# KiCad board INS-1 Matrix Display.kicad_pcb (continued)
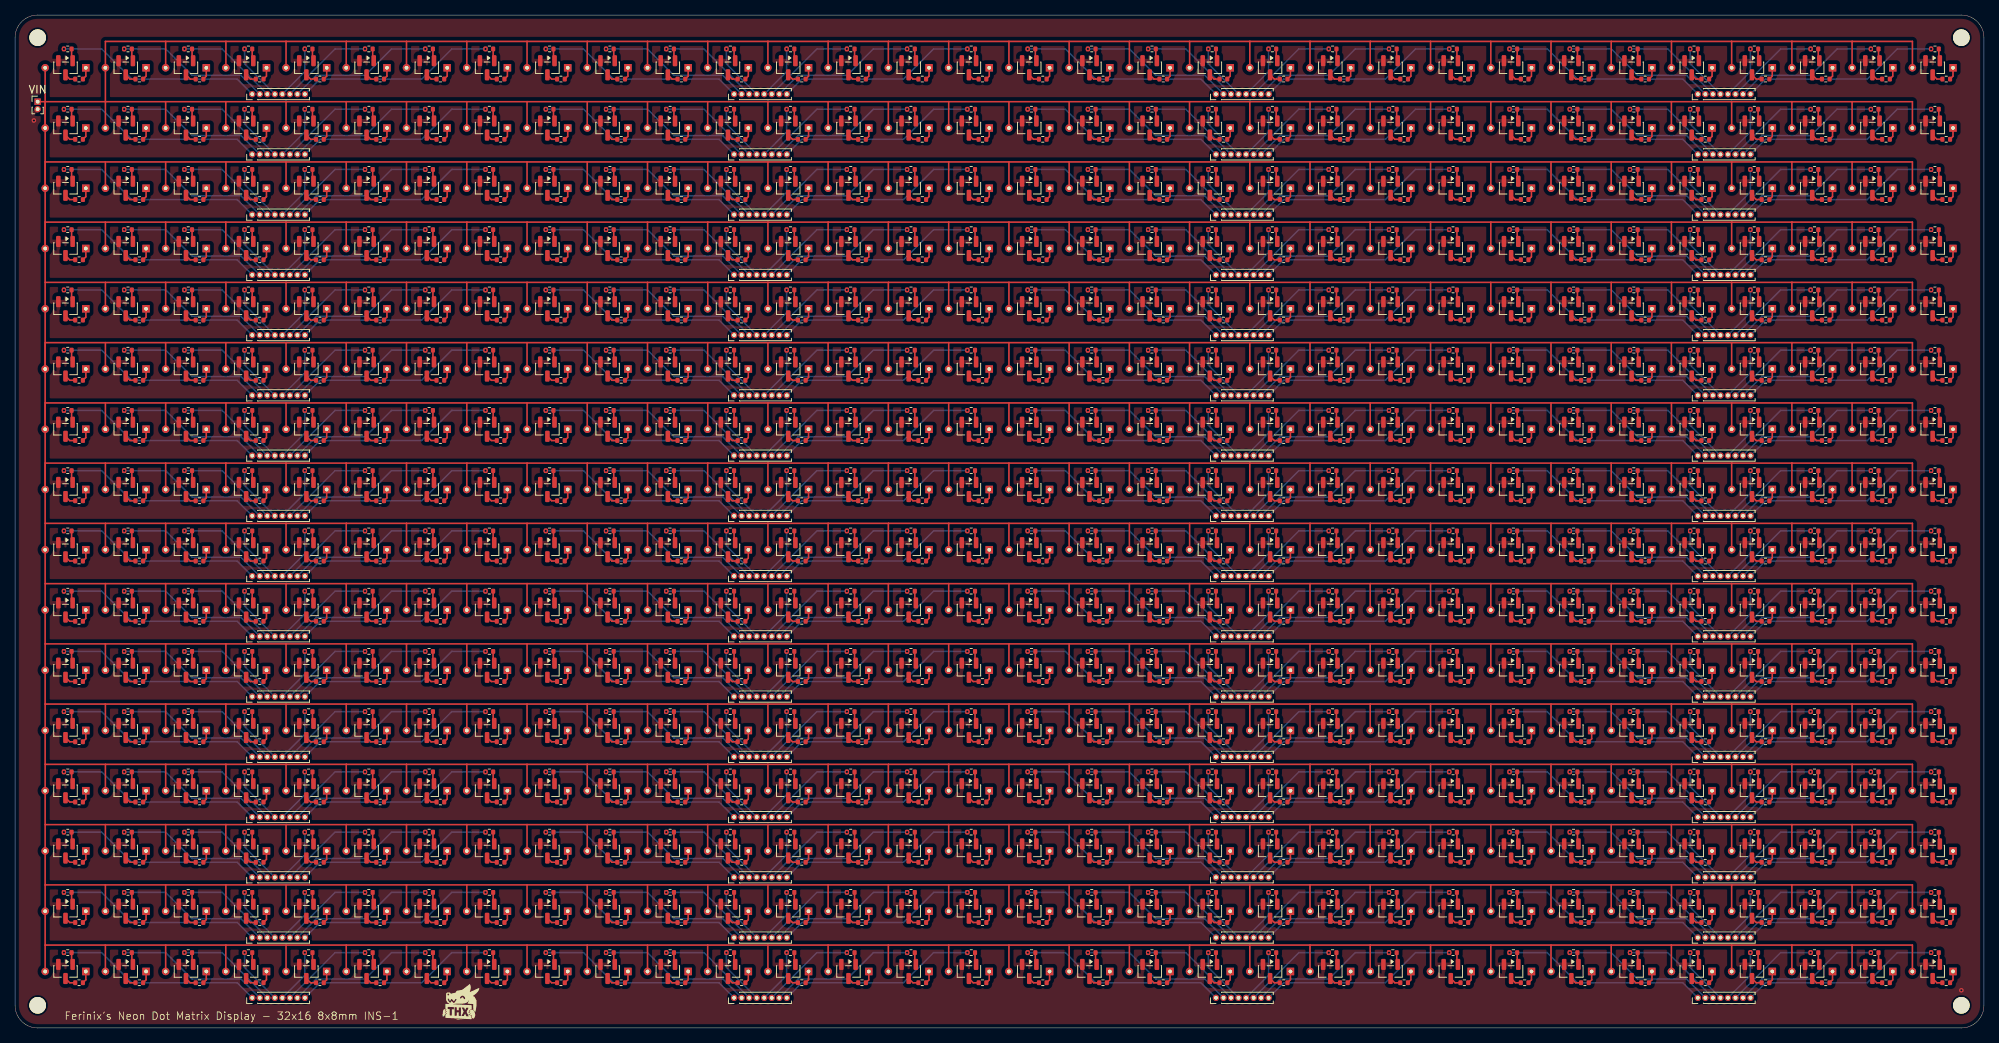
[diagram p0: board, top side]
## Routing (per net, layer and track width the routed paths; a pad name or vN(x,y) marks a point on that pad's centre or on a via; arc(x,y) is an arc through that point) (continued)

## Copper pours and planes (outline as drawn; the poured copper is in the pictures)
GND on Top: 0,134.5 0,0 261.5,0 261.5,134.5
GND on Bottom: 0,134.5 261.5,134.5 261.5,0 0,0

## Text on the board
F.Silkscreen: Ferinix's Neon Dot Matrix Display - 32x16 8x8mm INS-1
